# KiCad board TIME II PCB.kicad_pcb
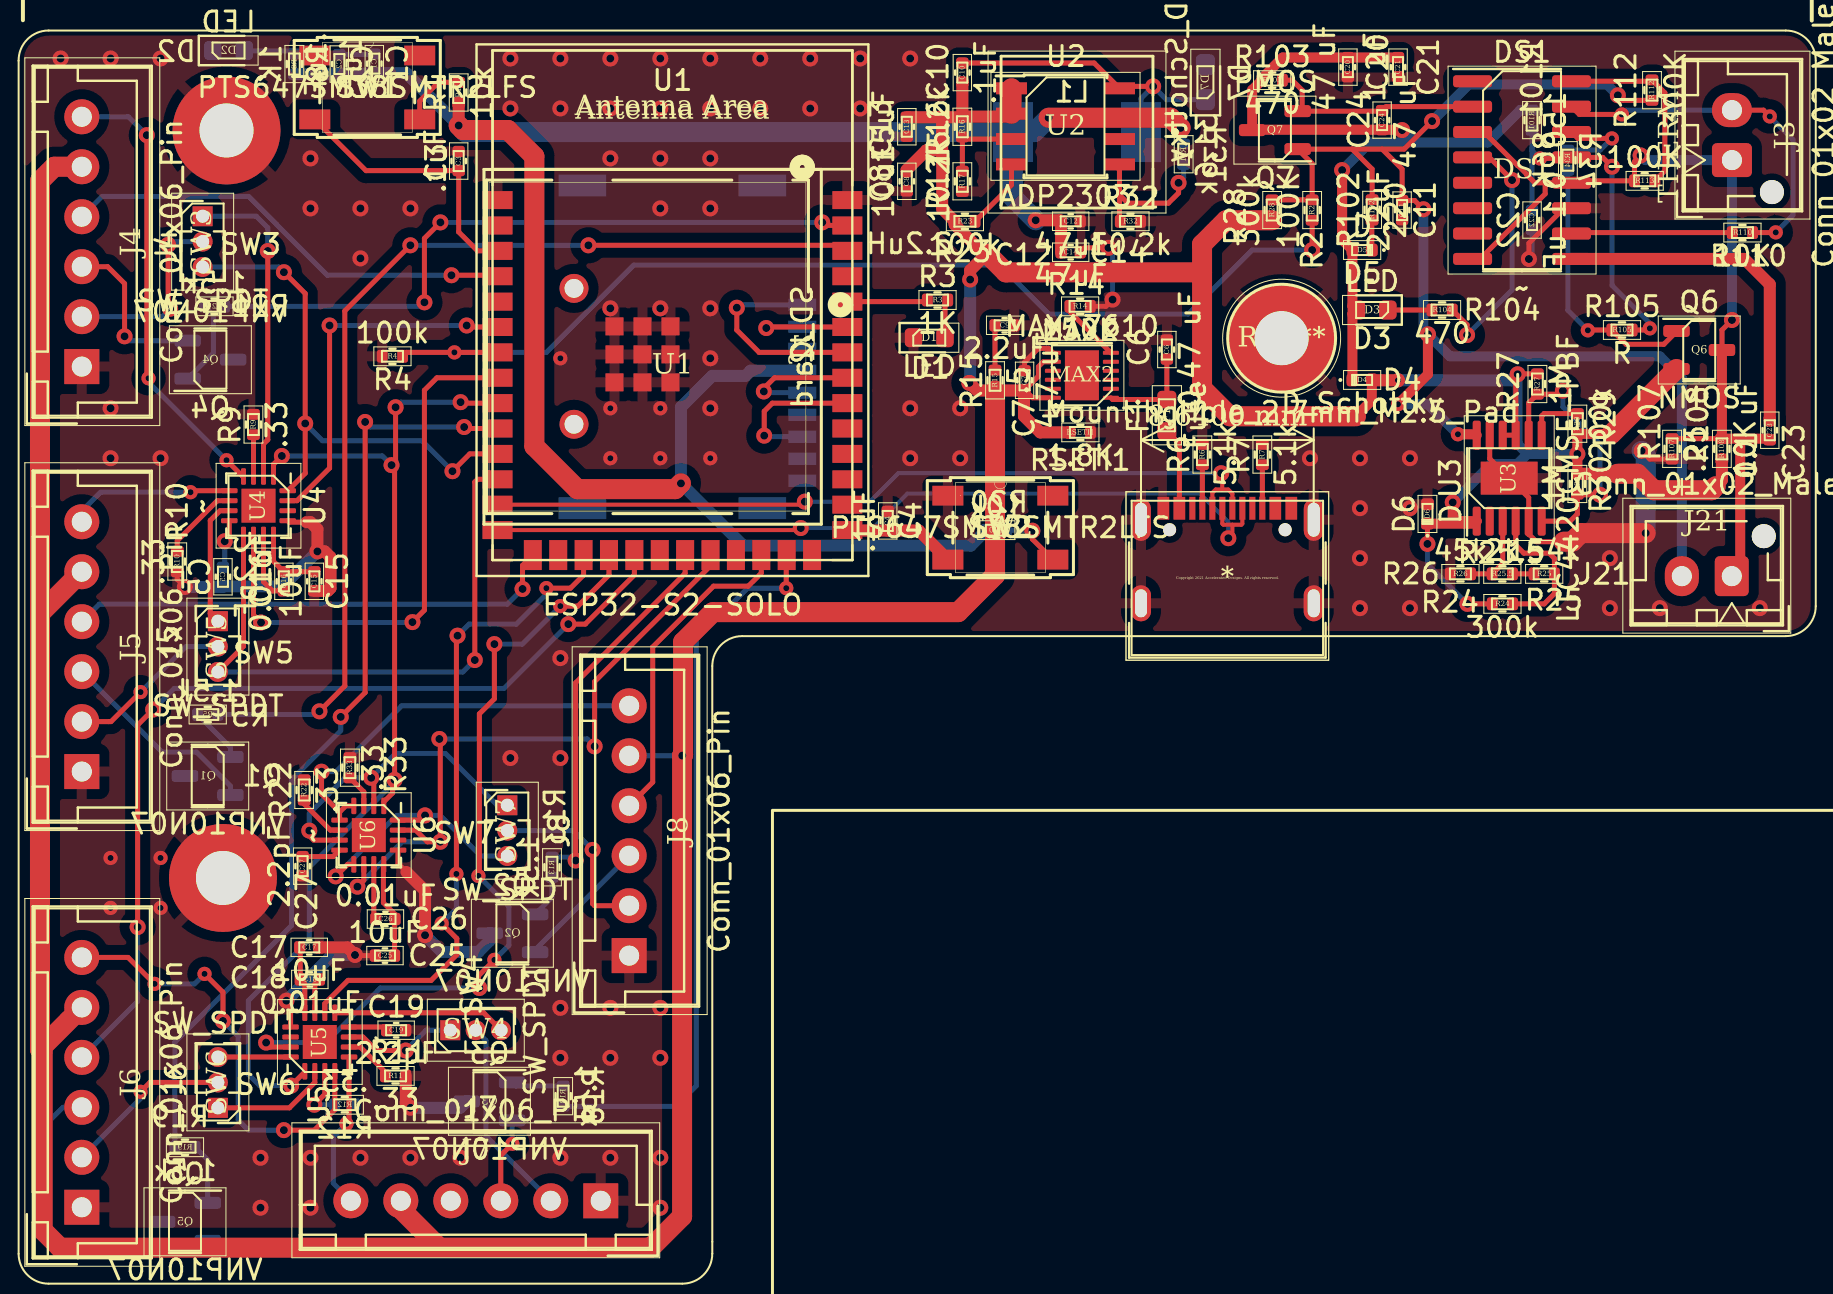
[diagram p0: board, top side]
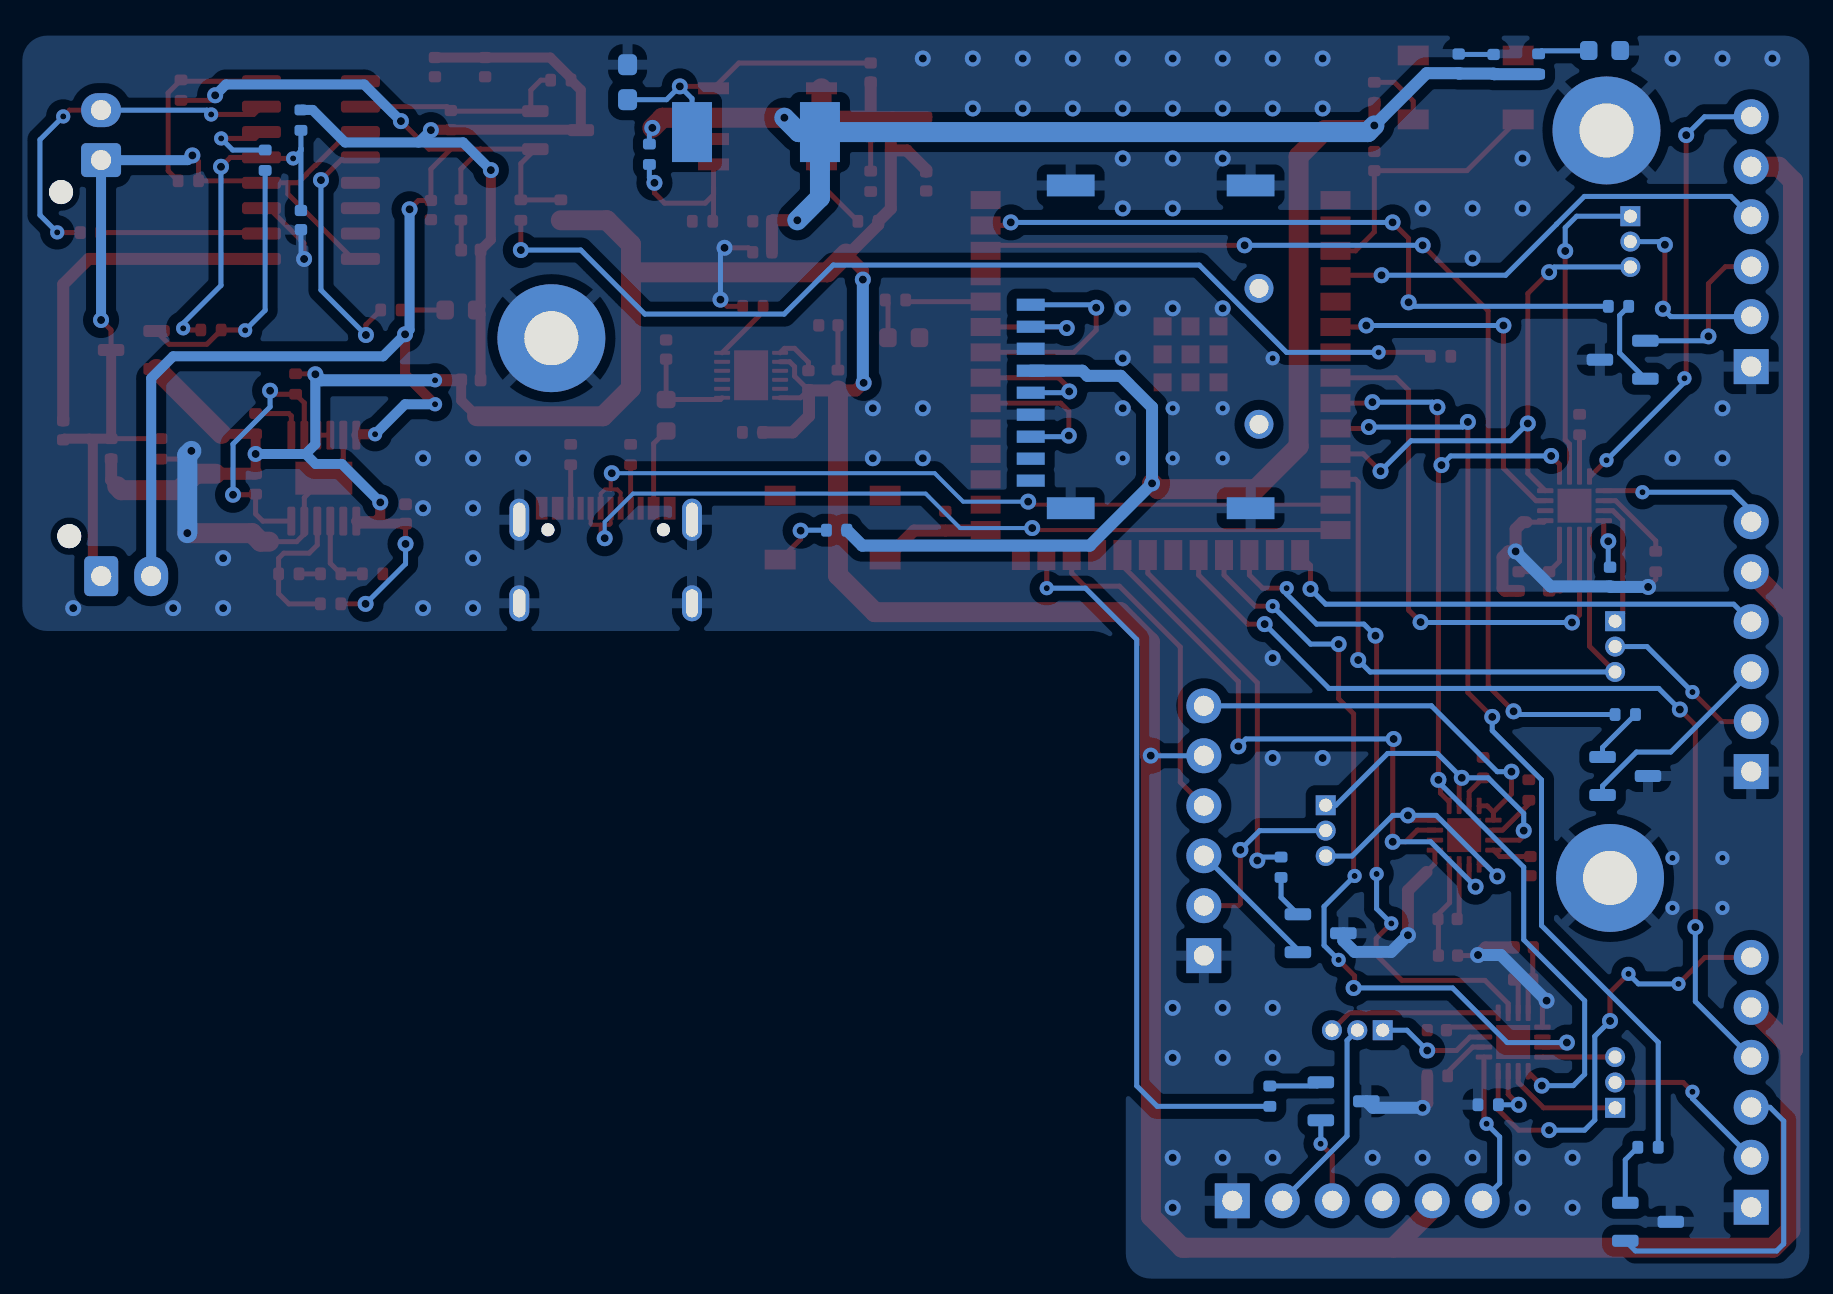
[diagram p1: board, bottom side, seen from below]

No outline. copper layers: Top, Bottom. Coordinates in mm from the lowest, leftmost part position.
Stack: Top 0.035mm / dielectric 1.51mm FR4 er 4.5 / Bottom 0.035mm

## Placement (name value [footprint] x y rotation side)
C1  1uF  [C_0402_1005Metric]  14.63 57.95 90 bottom
C2  .1uF  [C_0402_1005Metric]  12.88 57.93 90 bottom
C3  .1uF  [C_0402_1005Metric]  18.85 53.07 270 top
C4  .1uF  [C_0402_1005Metric]  40.32 35.07 270 top
C5  2.2pF  [C_0402_1005Metric]  7.06 32.27 270 bottom
C6  0.47 uF  [C_0402_1005Metric]  54.28 43.64 90 top
C7  4.7 uF  [C_0402_1005Metric]  47.16 42.1 90 top
C8  10uF  [C_0402_1005Metric]  41.27 52.06 270 top
C9  2.2uF  [C_0402_1005Metric]  46.16 44.85 0 top
C10  .1uF  [C_0402_1005Metric]  44.05 57.5 90 top
C11  2.2uF  [C_0402_1005Metric]  66.05 50.62 270 top
C12  47uF  [C_0402_1005Metric]  49.47 50.06 0 top
C13  15uF  [C_0402_1005Metric]  41.27 54.79 270 top
C14  47uF  [C_0402_1005Metric]  49.47 48.51 0 top
C15  10uF  [C_0402_1005Metric]  11.63 32.05 270 top
C16  0.01uF  [C_0402_1005Metric]  10.11 32.05 270 top
C17  10uF  [C_0402_1005Metric]  11.38 13.73 0 top
C18  0.01uF  [C_0402_1005Metric]  11.41 12.13 0 top
C19  2.2pF  [C_0402_1005Metric]  15.73 9.59 0 top
C20  47 uF  [C_0402_1005Metric]  63.33 57.77 270 top
C21  1 uF  [C_0402_1005Metric]  65.84 57.77 270 top
C22  0.1 uF  [C_0402_1005Metric]  72.55 50.12 270 bottom
C23  0.1 uF  [C_0402_1005Metric]  84.44 39.6 270 top
C24  4.7 uF  [C_0402_1005Metric]  65.05 55.12 90 top
C25  10uF  [C_0402_1005Metric]  15.17 13.32 180 top
C26  0.01uF  [C_0402_1005Metric]  15.19 15.15 180 top
C27  2.2pF  [C_0402_1005Metric]  11.05 17.79 270 top
D1  LED  [LED_0603_1608Metric]  42.39 44.24 0 top
D2  LED  [LED_0603_1608Metric]  7.34 58.6 0 bottom
D3  LED  [LED_0603_1608Metric]  64.55 45.62 180 top
D4  D_Schottky  [D_0402_1005Metric]  64.05 42.12 0 top
D5  D  [D_0402_1005Metric]  64.05 48.62 180 top
D6  D  [D_0402_1005Metric]  67.31 35.42 90 top
D7  D_Schottky  [D_0603_1608Metric_Pad1.05x0.95mm_HandSolder]  56.21 57.02 90 bottom
DS1  ~  [SOIC-16_3.9x9.9mm_P1.27mm]  72.05 52.62 0 top
F1  Fuse  [Fuse_0603_1608Metric]  54.28 40.35 90 top
J1  USB_C_Receptacle  [USB4105-GF-A]  57.31 32.22 0 top
J2  SD_Card  [MEM2075-00-140-01-A_GCT]  28.3 43.78 90 bottom
J3  Conn_01x02_Male  [JST_XH_B2B-XH-AM_1x02_P2.50mm_Vertical]  82.55 53.12 90 top
J4  Conn_01x06_Pin  [JST_XH_B06B-XH-A_06x2.50mm_Straight]  0 42.79 90 top
J5  Conn_01x06_Pin  [JST_XH_B06B-XH-A_06x2.50mm_Straight]  0 22.53 90 top
J6  Conn_01x06_Pin  [JST_XH_B06B-XH-A_06x2.50mm_Straight]  0 0.73 90 top
J7  Conn_01x06_Pin  [JST_XH_B06B-XH-A_06x2.50mm_Straight]  25.96 1.05 180 top
J8  Conn_01x06_Pin  [JST_XH_B06B-XH-A_06x2.50mm_Straight]  27.38 13.32 90 top
J21  Conn_01x02_Male  [JST_XH_B2B-XH-AM_1x02_P2.50mm_Vertical]  82.54 32.3 180 top
L1  2.2uH  [IND_B1047AS-2R2N=P3]  49.78 54.52 180 bottom
MAX2  MAX17610  [WDFN-12-1EP_3x3mm_P0.45mm_EP1.7x2.5mm]  50.03 42.35 180 top
NOREF  -  [unnamed]  7.06 17.2 0 top
NOREF#2  -  [unnamed]  7.24 54.6 0 top
Q1  VNP10N07  [SOT-23-3]  6.3 22.3 180 bottom
Q2  VNP10N07  [SOT-23-3]  21.54 14.44 180 bottom
Q3  VNP10N07  [SOT-23-3]  20.39 6.03 180 bottom
Q4  VNP10N07  [SOT-23-3]  6.43 43.13 0 bottom
Q5  VNP10N07  [SOT-23-3]  5.16 0 180 bottom
Q6  NMOS  [SOT-23-3]  80.91 43.62 0 top
Q7  PMOS  [SOT-23-3]  59.68 54.62 180 top
R1  10k  [R_0402_1005Metric]  18.85 56.5 90 top
R2  100K  [R_0402_1005Metric]  61.55 50.62 270 top
R3  1K  [R_0402_1005Metric]  42.81 46.12 0 top
R4  100k  [R_0402_1005Metric]  15.54 43.3 180 top
R5  1.5k  [R_0402_1005Metric]  6.3 25.38 0 bottom
R6  5.1k  [R_0402_1005Metric]  56.06 38.39 90 top
R7  5.1k  [R_0402_1005Metric]  59.06 38.39 90 top
R8  1K  [R_0402_1005Metric]  10.63 57.93 90 bottom
R9  .33  [R_0402_1005Metric]  8.59 39.89 90 top
R10  .33  [R_0402_1005Metric]  4.78 33.04 270 top
R11  .33  [R_0402_1005Metric]  15.7 7.3 0 top
R12  .33  [R_0402_1005Metric]  13.16 5.86 0 bottom
R13  1.5k  [R_0402_1005Metric]  23.52 17.74 90 bottom
R14  150K  [R_0402_1005Metric]  49.94 45.8 0 top
R15  .5  [R_0402_1005Metric]  45.68 42.1 90 top
R16  15.2k  [R_0402_1005Metric]  44.05 54.79 270 top
R17  10.2k  [R_0402_1005Metric]  44.05 52.06 270 top
R18  1.5k  [R_0402_1005Metric]  24.08 6.29 270 bottom
R19  1.5k  [R_0402_1005Metric]  5.16 3.73 180 bottom
R20  10k  [R_0402_1005Metric]  45.75 34.6 0 bottom
R21  1.5k  [R_0402_1005Metric]  6.64 45.8 0 bottom
R22  .33  [R_0402_1005Metric]  11.13 21.6 90 top
R23  100k  [R_0402_1005Metric]  44.18 50.06 0 top
R24  300k  [R_0402_1005Metric]  71.06 30.92 0 top
R25  154k  [R_0402_1005Metric]  73.16 32.42 180 top
R25.5  2k  [R_0402_1005Metric]  71.06 32.42 180 top
R26  45k  [R_0402_1005Metric]  68.96 32.42 180 top
R27  1M  [R_0402_1005Metric]  72.81 41.92 90 top
R28  300k  [R_0402_1005Metric]  59.55 50.62 270 top
R29  200k  [R_0402_1005Metric]  74.81 39.93 90 top
R30  1M  [R_0402_1005Metric]  74.81 36.92 270 top
R31  31.6k  [R_0402_1005Metric]  55.12 53.41 270 bottom
R32  10.2k  [R_0402_1005Metric]  52.46 50.06 0 top
R33  .33  [R_0402_1005Metric]  13.41 22.72 90 top
R34  86K  [R_0402_1005Metric]  74.34 53.11 90 bottom
R101  150  [R_0402_1005Metric]  72.55 55.12 270 bottom
R102  220  [R_0402_1005Metric]  64.55 50.63 90 top
R103  470  [R_0402_1005Metric]  59.55 57.12 0 top
R104  470  [R_0402_1005Metric]  68.05 45.62 0 top
R105  R  [R_0402_1005Metric]  77.05 44.62 0 top
R107  .25  [R_0402_1005Metric]  79.55 38.67 90 top
R108  10K  [R_0402_1005Metric]  82.04 38.67 90 top
R110  10K  [R_0402_1005Metric]  83.07 49.49 0 top
R112  300K  [R_0402_1005Metric]  78.55 56.62 90 top
R113  100K  [R_0402_1005Metric]  78.18 52.08 180 top
REF**  -  [MountingHole_2.7mm_M2.5_Pad]  60.02 44.21 0 top
RSETI1  1.8K  [R_0402_1005Metric]  49.95 39.5 0 top
SW1  PTS647SM38SMTR2LFS  [SW_PTS647SM38SMTR2LFS_CNK]  14.28 56.76 0 top
SW2  PTS647SM38SMTR2LFS  [SW_PTS647SM38SMTR2LFS_CNK]  45.95 34.73 0 top
SW3  SW_SPDT  [PinHeader_1x03_P1.27mm_Vertical]  6.05 50.31 0 top
SW4  SW_SPDT  [PinHeader_1x03_P1.27mm_Vertical]  18.43 9.59 90 top
SW5  SW_SPDT  [PinHeader_1x03_P1.27mm_Vertical]  6.81 30.05 0 top
SW6  SW_SPDT  [PinHeader_1x03_P1.27mm_Vertical]  6.81 5.7 180 top
SW7  SW_SPDT  [PinHeader_1x03_P1.27mm_Vertical]  21.29 20.84 0 top
U1  -  [ESP32-S2-SOLO]  29.55 42.86 0 top
U2  ADP2303  [SOIC-8-N7_3.9x4.9mm_P1.27mm]  49.21 54.81 0 top
U3  LTC4420CMSE-PBF  [MSOP-12-1EP_3x4mm_P0.65mm_EP1.65x2.85mm]  71.4 37.21 90 top
U4  ~  [QFN-16-1EP_3x3mm_P0.5mm_EP1.7x1.7mm]  8.84 35.83 270 top
U5  ~  [QFN-16-1EP_3x3mm_P0.5mm_EP1.7x1.7mm]  11.91 8.99 90 top
U6  ~  [QFN-16-1EP_3x3mm_P0.5mm_EP1.7x1.7mm]  14.36 19.35 270 top

## Library data of the parts
C1-C27 = -: Description: Unpolarized capacitor
D1-D3 = -: Description: Light emitting diode
D4 D7 = -: Description: Schottky diode
D5 D6 = -: Description: Diode; Sim.Pins: 1=K 2=A
J1 = -: Description: USB Full-Featured Type-C Receptacle connector
J2 = -: Description: SD Card Reader
J3 J21 = -: Description: Generic connector, single row, 01x02, script generated (kicad-library-utils/schlib/autogen/connector/)
J4-J8 = -: Description: Generic connector, single row, 01x06, script generated
L1 = -: Description: Inductor
Q1-Q5 = -: Description: 10A Id, 70V Vds, N-Channel Power MOSFET, fully autoprotected, TO-220
Q6 = -: Description: N-MOSFET transistor, drain/source/gate; Sim.Pins: 1=D 2=G 3=S; Sim.Type: VDMOS
Q7 = -: Description: P-MOSFET transistor, drain/source/gate; Sim.Pins: 1=D 2=G 3=S; Sim.Type: VDMOS
R1-R25 R25.5 R26-R34 R101-R105 R107 R108 R110 R112 R113 RSETI1 = -: Description: Resistor
SW3-SW7 = -: Description: Switch, single pole double throw
U1 = -: Description: ESP32-S2-SOLO and ESP32-S2-SOLO-U are two powerful, generic Wi-Fi MCU modules that have a rich set of peripherals.

## Footprints (pads in the part's own frame, mm; a bottom-side part is the same pattern mirrored in y, then rotated)
C_0402_1005Metric
  rrect 0.56x0.62 smd: 1(-0.48,0) 2(0.48,0)
D_0402_1005Metric
  rrect 0.59x0.64 smd: 1(-0.485,0) 2(0.485,0)
D_0603_1608Metric_Pad1.05x0.95mm_HandSolder
  rrect 1.05x0.95 smd: 1(-0.875,0) 2(0.875,0)
ESP32-S2-SOLO
  rect 1.5x0.9 smd: 1(-8.75,8.26) 2(-8.75,6.99) 3(-8.75,5.72) 4(-8.75,4.45) 5(-8.75,3.18) 6(-8.75,1.91) 7(-8.75,0.64) 8(-8.75,-0.63) 9(-8.75,-1.9) 10(-8.75,-3.17) 11(-8.75,-4.44) 12(-8.75,-5.71) 13(-8.75,-6.98) 14(-8.75,-8.25) 27(8.75,-8.25) 28(8.75,-6.98) 29(8.75,-5.71) 30(8.75,-4.44) 31(8.75,-3.17) 32(8.75,-1.9) 33(8.75,-0.63) 34(8.75,0.64) 35(8.75,1.91) 36(8.75,3.18) 37(8.75,4.45) 38(8.75,5.72) 39(8.75,6.99) 40(8.75,8.26)
  rect 0.9x1.5 smd: 15(-6.985,-9.5) 16(-5.715,-9.5) 17(-4.445,-9.5) 18(-3.175,-9.5) 19(-1.905,-9.5) 20(-0.635,-9.5) 21(0.635,-9.5) 22(1.905,-9.5) 23(3.175,-9.5) 24(4.445,-9.5) 25(5.715,-9.5) 26(6.985,-9.5)
  rect 0.9x0.9 smd: 41(-2.9,1.94) 41(-2.9,0.54) 41(-2.9,-0.86) 41(-1.5,1.94) 41(-1.5,0.54) 41(-1.5,-0.86) 41(-0.1,1.94) 41(-0.1,0.54) 41(-0.1,-0.86)
Fuse_0603_1608Metric
  rrect 0.875x0.95 smd: 1(-0.787,0) 2(0.787,0)
IND_B1047AS-2R2N=P3
  rect 2x3 smd: 1(-3.2,0) 2(3.2,0)
JST_XH_B2B-XH-AM_1x02_P2.50mm_Vertical
  round 1.2 hole 1.2 unplated: (-1.6,-2)
  rrect 1.7x2 hole 1: 1(0,0)
  oval 1.7x2 hole 1: 2(2.5,0)
JST_XH_B06B-XH-A_06x2.50mm_Straight
  rect 1.75x1.75 hole 1: 1(0,0)
  round 1.75 hole 1: 2(2.5,0) 3(5,0) 4(7.5,0) 5(10,0) 6(12.5,0)
LED_0603_1608Metric
  rrect 0.875x0.95 smd: 1(-0.787,0) 2(0.787,0)
MEM2075-00-140-01-A_GCT
  rect 0.61x1.397 smd: 1(2.105,7.745) 2(1.005,7.745) 3(-0.095,7.745) 4(-1.195,7.745) 5(-2.295,7.745) 6(-3.395,7.745) 7(-4.495,7.745) 8(-5.595,7.745) 9(-6.695,7.745)
  rect 1.092x2.388 smd: 12(-8.075,-3.255) 12(-8.075,5.745) 12(8.075,-3.255) 12(8.075,5.745)
  round 1.448 hole 0.94: 14(-3.875,-3.675) 15(2.925,-3.675)
MountingHole_2.7mm_M2.5_Pad
  round 5.4 hole 2.7: 1(0,0)
MSOP-12-1EP_3x4mm_P0.65mm_EP1.65x2.85mm
  rrect 0.67x1.15 smd: (-0.41,0.71) (-0.41,-0.71) (0.41,0.71) (0.41,-0.71)
  rrect 1.45x0.4 smd: 1(-2.15,1.625) 2(-2.15,0.975) 3(-2.15,0.325) 4(-2.15,-0.325) 5(-2.15,-0.975) 6(-2.15,-1.625) 7(2.15,-1.625) 8(2.15,-0.975) 9(2.15,-0.325) 10(2.15,0.325) 11(2.15,0.975) 12(2.15,1.625)
  rect 1.65x2.85 smd: 13(0,0)
PinHeader_1x03_P1.27mm_Vertical
  rect 1x1 hole 0.65: 1(0,0)
  oval 1x1 hole 0.65: 2(0,-1.27) 3(0,-2.54)
QFN-16-1EP_3x3mm_P0.5mm_EP1.7x1.7mm
  rrect 0.69x0.69 smd: (-0.425,0.425) (-0.425,-0.425) (0.425,0.425) (0.425,-0.425)
  rrect 0.825x0.25 smd: 1(-1.462,0.75) 2(-1.462,0.25) 3(-1.462,-0.25) 4(-1.462,-0.75) 9(1.462,-0.75) 10(1.462,-0.25) 11(1.462,0.25) 12(1.462,0.75)
  rrect 0.25x0.825 smd: 5(-0.75,-1.462) 6(-0.25,-1.462) 7(0.25,-1.462) 8(0.75,-1.462) 13(0.75,1.462) 14(0.25,1.462) 15(-0.25,1.462) 16(-0.75,1.462)
  rect 1.7x1.7 smd: 17(0,0)
R_0402_1005Metric
  rrect 0.54x0.64 smd: 1(-0.51,0) 2(0.51,0)
SOIC-8-N7_3.9x4.9mm_P1.27mm
  rect 1.55x0.6 smd: 1(-2.7,1.905) 2(-2.7,0.635) 3(-2.7,-0.635) 4(-2.7,-1.905) 5(2.7,-1.905) 6(2.7,-0.635) 8(2.7,1.905)
SOIC-16_3.9x9.9mm_P1.27mm
  rrect 1.95x0.6 smd: 1(-2.475,4.445) 2(-2.475,3.175) 3(-2.475,1.905) 4(-2.475,0.635) 5(-2.475,-0.635) 6(-2.475,-1.905) 7(-2.475,-3.175) 8(-2.475,-4.445) 9(2.475,-4.445) 10(2.475,-3.175) 11(2.475,-1.905) 12(2.475,-0.635) 13(2.475,0.635) 14(2.475,1.905) 15(2.475,3.175) 16(2.475,4.445)
SOT-23-3
  rrect 1.325x0.6 smd: 1(-1.137,0.95) 2(-1.137,-0.95) 3(1.137,0)
SW_PTS647SM38SMTR2LFS_CNK
  rect 1.549x0.991 smd: 1(-2.625,1.6) 2(2.625,1.6) 3(-2.625,-1.6) 4(2.625,-1.6)
unnamed
  round 5.4 hole 2.7: 1(0,0)
USB4105-GF-A
  round 0.66 hole 0.65 unplated: (-2.89,2.411) (2.89,2.411)
  rect 0.584x1.143 smd: A1(-3.2,3.486) A4(-2.4,3.486) B1-A12(3.2,3.486) B4-A9(2.4,3.486)
  rect 0.305x1.143 smd: A5(-1.25,3.486) A6(-0.25,3.486) A7(0.25,3.486) A8(1.25,3.486) B5(1.75,3.486) B6(0.75,3.486) B7(-0.75,3.486) B8(-1.75,3.486)
  oval 0.991x2.108 hole 0.6x1.7: S1(-4.32,2.911) S1(4.32,2.911)
  oval 1x1.8 hole 0.6x1.4: S1(-4.32,-1.269) S1(4.32,-1.269)
WDFN-12-1EP_3x3mm_P0.45mm_EP1.7x2.5mm
  rrect 0.69x1.01 smd: (-0.425,0.625) (-0.425,-0.625) (0.425,0.625) (0.425,-0.625)
  rrect 0.8x0.2 smd: 1(-1.45,1.125) 2(-1.45,0.675) 3(-1.45,0.225) 4(-1.45,-0.225) 5(-1.45,-0.675) 6(-1.45,-1.125) 7(1.45,-1.125) 8(1.45,-0.675) 9(1.45,-0.225) 10(1.45,0.225) 11(1.45,0.675) 12(1.45,1.125)
  rect 1.7x2.5 smd: 13(0,0)
